# Altium PCB paste_3.3.PcbDoc (part 1 of 3) (continued)
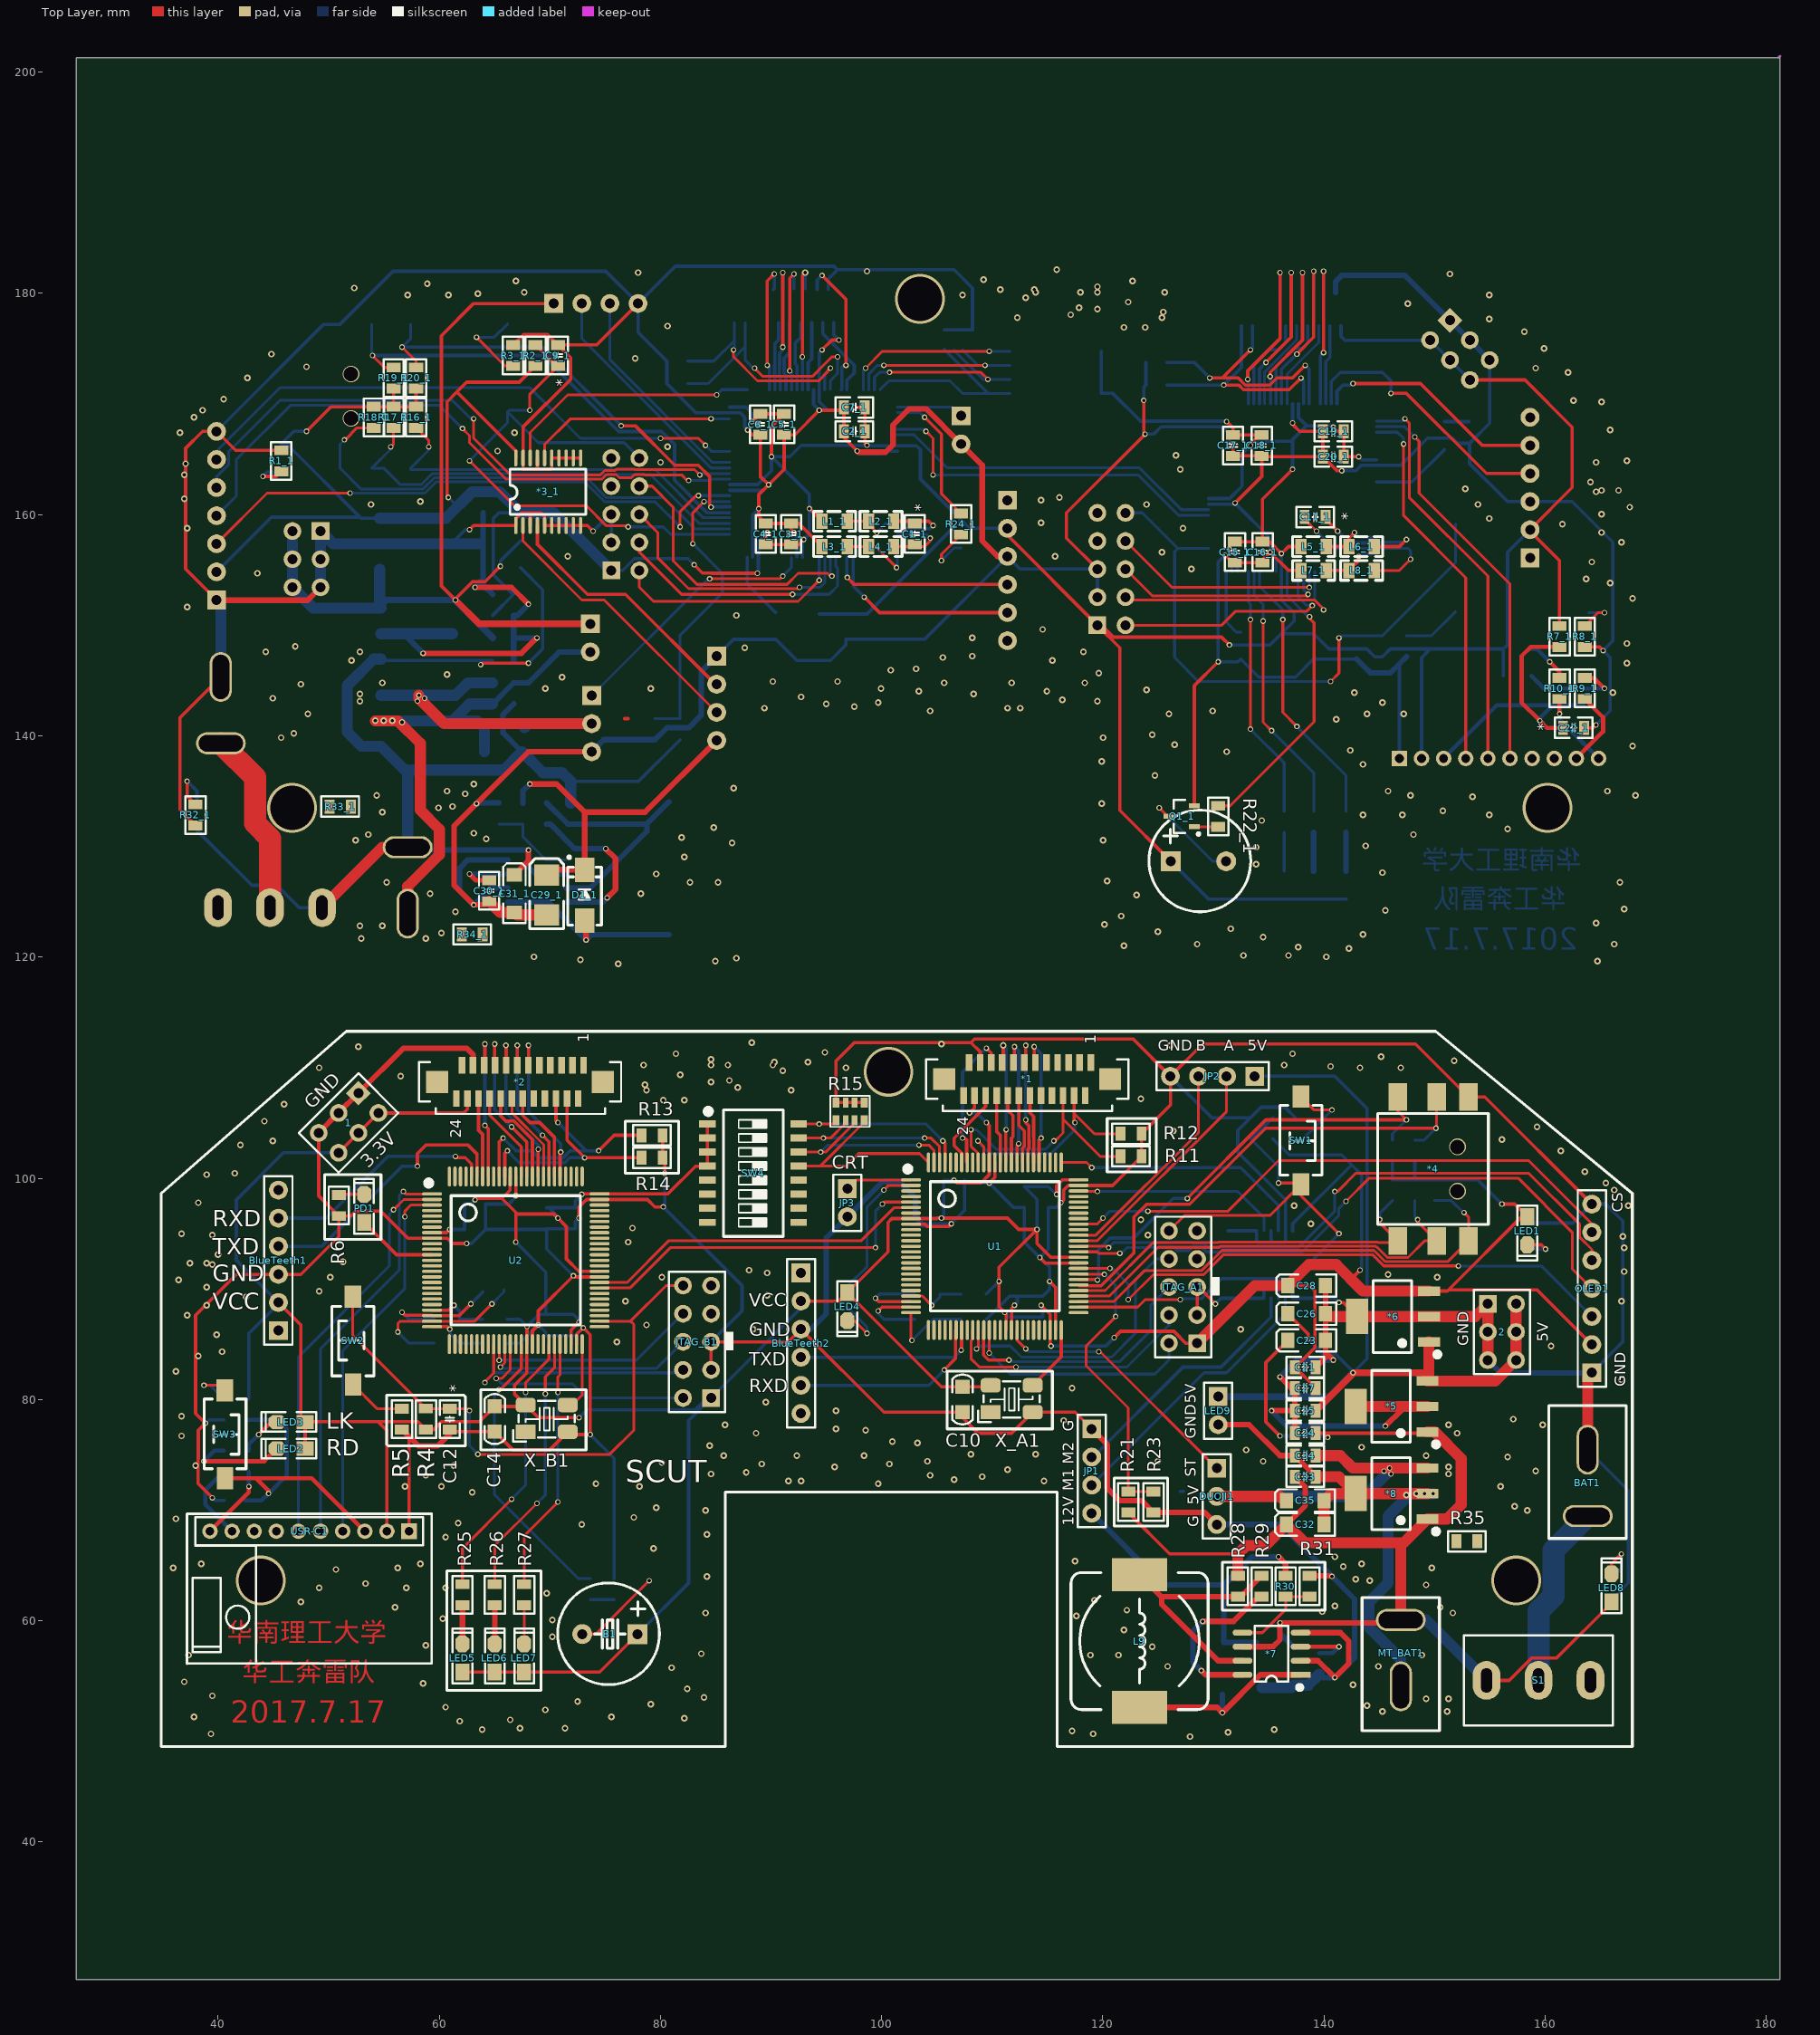
[diagram p0: Top Layer view]
## Components (designator, comment, footprint, x,y, rotation, side; value= is the part's Value field where it differs from the comment) (continued)
R5_1 "100R" "R 0805_L" 147.447,148.082 r90 bottom (schematic designator R5)
R6 "1K" "R 0805_L" 50.927,97.536 r270 top
R6_1 "1K" "R 0805_L" 153.162,167.386 r270 bottom (schematic designator R6)
R7 "4.7K" "R 0805_L" 42.799,79.121 r90 bottom
R7_1 "4.7K" "R 0805_L" 161.29,148.971 r90 top (schematic designator R7)
R8 "100R" "R 0805_L" 40.513,79.121 r90 bottom
R8_1 "100R" "R 0805_L" 163.576,148.971 r90 top (schematic designator R8)
R9 "1K" "R 0805_L" 40.513,74.422 r270 bottom
R9_1 "1K" "R 0805_L" 163.576,144.272 r270 top (schematic designator R9)
R10 "1K" "R 0805_L" 42.799,74.422 r270 bottom
R10_1 "1K" "R 0805_L" 161.29,144.272 r270 top (schematic designator R10)
R11 "150R" "R 0805_L" 122.555,101.981 r180 top
R11_1 "150R" "R 0805_L" 81.534,171.831 r0 bottom (schematic designator R11)
R12 "150R" "R 0805_L" 122.555,104.013 r180 top
R12_1 "150R" "R 0805_L" 81.534,173.863 r0 bottom (schematic designator R12)
R13 "150R" "R 0805_L" 79.248,103.886 r180 top
R13_1 "150R" "R 0805_L" 124.841,173.736 r0 bottom (schematic designator R13)
R14 "150R" "R 0805_L" 79.248,101.854 r180 top
R14_1 "150R" "R 0805_L" 124.841,171.704 r0 bottom (schematic designator R14)
R15 "103" RCA-8P4R-0603 97.155,106.045 r0 top
R15_1 "103" RCA-8P4R-0603 106.934,175.895 r180 bottom (schematic designator R15)
R16 "1K" "R 0805_L" 146.177,98.933 r270 bottom
R16_1 "1K" "R 0805_L" 57.912,168.783 r270 top (schematic designator R16)
R17 "1K" "R 0805_L" 148.209,98.933 r270 bottom
R17_1 "1K" "R 0805_L" 55.88,168.783 r270 top (schematic designator R17)
R18 "1K" "R 0805_L" 149.987,98.933 r270 bottom
R18_1 "1K" "R 0805_L" 54.102,168.783 r270 top (schematic designator R18)
R19 "1K" "R 0805_L" 148.209,102.489 r90 bottom
R19_1 "1K" "R 0805_L" 55.88,172.339 r90 top (schematic designator R19)
R20 "1K" "R 0805_L" 146.177,102.489 r90 bottom
R20_1 "1K" "R 0805_L" 57.912,172.339 r90 top (schematic designator R20)
R21 "20K" "R 0805_L" 122.301,70.739 r90 top
R21_1 "20K" "R 0805_L" 81.788,140.589 r90 bottom (schematic designator R21)
R22 "1K" "R 0805_L" 73.66,62.865 r270 bottom
R22_1 "1K" "R 0805_L" 130.429,132.715 r270 top (schematic designator R22)
R23 "10K" "R 0805_L" 124.587,70.739 r90 top
R23_1 "10K" "R 0805_L" 79.502,140.589 r90 bottom (schematic designator R23)
R24 "1K" "R 0805_L" 96.901,89.281 r90 bottom
R24_1 "1K" "R 0805_L" 107.188,159.131 r90 top (schematic designator R24)
R25 "1K" "R 0805_L" 62.103,62.357 r90 top
R25_1 "1K" "R 0805_L" 141.986,132.207 r90 bottom (schematic designator R25)
R26 "1K" "R 0805_L" 65.024,62.357 r90 top
R26_1 "1K" "R 0805_L" 139.065,132.207 r90 bottom (schematic designator R26)
R27 "1K" "R 0805_L" 67.691,62.357 r90 top
R27_1 "1K" "R 0805_L" 136.398,132.207 r90 bottom (schematic designator R27)
R28 "Res2" "R 0805_L" 132.207,63.119 r90 top
R28_1 "Res2" "R 0805_L" 71.882,132.969 r90 bottom (schematic designator R28)
R29 "Res2" "R 0805_L" 134.366,63.119 r90 top
R29_1 "Res2" "R 0805_L" 69.723,132.969 r90 bottom (schematic designator R29)
R30 "Res2" "R 0805_L" 136.525,63.119 r270 top
R30_1 "Res2" "R 0805_L" 67.564,132.969 r270 bottom (schematic designator R30)
R31 "Res2" "R 0805_L" 138.684,63.119 r270 top
R31_1 "Res2" "R 0805_L" 65.405,132.969 r270 bottom (schematic designator R31)
R32 "1K" "R 0805_L" 166.116,62.992 r270 bottom
R32_1 "1K" "R 0805_L" 37.973,132.842 r270 top (schematic designator R32)
R33 "Res2" "R 0805_L" 153.035,63.754 r180 bottom
R33_1 "Res2" "R 0805_L" 51.054,133.604 r0 top (schematic designator R33)
R34 "Res2" "R 0805_L" 141.097,52.197 r0 bottom
R34_1 "Res2" "R 0805_L" 62.992,122.047 r180 top (schematic designator R34)
R35 "Res2" "R 0805_L" 152.908,67.183 r180 top
R35_1 "Res2" "R 0805_L" 51.181,137.033 r0 bottom (schematic designator R35)
S1 "SW-SPST" MTS-10x 159.385,54.61 r0 top
S1_1 "SW-SPST" MTS-10x 44.704,124.46 r180 bottom (schematic designator S1)
SW1 "3x6x5" "TSW SMD-3*6*2.5" 137.922,103.378 r270 top
SW1_1 "3x6x5" "TSW SMD-3*6*2.5" 66.167,173.228 r270 bottom (schematic designator SW1)
SW2 "3x6x5" "TSW SMD-3*6*2.5" 52.197,85.344 r90 top
SW2_1 "3x6x5" "TSW SMD-3*6*2.5" 151.892,155.194 r90 bottom (schematic designator SW2)
SW3 "3x6x5" "TSW SMD-3*6*2.5" 40.64,76.835 r270 top
SW3_1 "3x6x5" "TSW SMD-3*6*2.5" 163.449,146.685 r270 bottom (schematic designator SW3)
SW4 "CSW-8P" "CSW1.27 SMD-8P" 88.392,100.457 r270 top
SW4_1 "CSW-8P" "CSW1.27 SMD-8P" 115.697,170.307 r270 bottom (schematic designator SW4)
U1 "MK60DN512VLL10" "LQFP100 14x14_N" 110.236,93.853 r270 top
U1_1 "MK60DN512VLL10" "LQFP100 14x14_N" 93.853,163.703 r270 bottom (schematic designator U1)
U2 "MK60DN512VLL10" "LQFP100 14x14_N" 66.929,92.583 r270 top
U2_1 "MK60DN512VLL10" "LQFP100 14x14_N" 137.16,162.433 r270 bottom (schematic designator U2)
USR-C1 "USR-C215" DIP2.0*1-10-M 57.277,68.072 r90 top
USR-C1_1 "USR-C215" DIP2.0*1-10-M 146.812,137.922 r90 bottom (schematic designator USR-C1)
X_A1 "26M" "OSC 5032-4P" 111.76,80.01 r0 top
X_A1_1 "26M" "OSC 5032-4P" 92.329,149.86 r180 bottom (schematic designator X_A1)
X_B1 "50M" "OSC 5032-4P" 69.723,78.232 r0 top
X_B1_1 "50M" "OSC 5032-4P" 134.366,148.082 r180 bottom (schematic designator X_B1)

## Footprints (in the part's own frame and the unit in brackets; to place one, negate y for a bottom-side part, rotate by r counter-clockwise, add the part's x,y. Pads: shape width x height; smd on the part's side, far side on the other; paste and mask are expansions set on the pad)
"BEEP 5x9x5.5" [mm] "5*9*5.5mm(脚距,直径,高度)"
  rect 1.8x1.8 hole 0.9: 1(0,-2.5)
  round 1.8 hole 0.9: 2(0,2.5)
  silkscreen extent -4.57,-4.47 4.62,4.73, body extent -4.5,-4.5 4.5,4.5, height 5.45
"C 0805" [mil] "无极性贴片电容"
  rect 50x50 smd: 1(-45,0) 2(45,0)
  silkscreen extent -89,-36 89,36, body extent -39,-24 39,24, height 20
"C 0805_L" [mil] "无极性贴片电容"
  rect 35x50 smd: 1(-37.4,0) 2(37.4,0)
  silkscreen extent -67,-36 67,36, body extent -39,-24 39,24, height 20
"CD A(3216)" [mm] "长3.2mm，宽1.6mm，厚1.6mm"
  rect 1.2x1.4 smd: 1(-1.7,0) 2(1.7,0)
  silkscreen extent -2.74,-1.02 2.67,1.02, body extent -1.6,-0.8 1.6,0.8, height 1.6
"CD B(3528)" [mil] "长3.5mm，宽2.8mm，厚1.9mm"
  rect 75x90 smd: 1(-70.87,-0.01) 2(70.86,-0.01)
  silkscreen extent -130,-60 120,60, body extent -69,-55 69,55, height 75
CDRH124 [mm] "12*12*4.5mm（长宽高）"
  rect 3x5 smd: 1(-6,0) 2(6,0)
  silkscreen extent -6.2,-6.2 6.2,6.2, body extent -6,-6 6,6, height 4.55
"CSW1.27 SMD-8P" [mm] "长：11.76mm，宽：5.4mm，高：2.3mm"
  rect 0.65x1.5 smd: 1(-4.445,-4.15) 2(-3.175,-4.15) 3(-1.905,-4.15) 4(-0.635,-4.15) 5(0.635,-4.15) 6(1.905,-4.15) 7(3.175,-4.15) 8(4.445,-4.15) 9(4.445,4.105) 10(3.175,4.105) 11(1.905,4.105) 12(0.635,4.105) 13(-0.635,4.105) 14(-1.905,4.105) 15(-3.175,4.105) 16(-4.445,4.105)
  silkscreen extent -5.84,-4.31 5.72,2.7, body extent -5.88,-4.35 5.88,4.35, height 2.35
DIP2.0*1-10-M [mil]
  rect 55x55 hole 31.5: 1(1,0)
  round 55 hole 31.5: 2(1,78.74) 3(1,157.48) 4(1,236.22) 5(1,314.96) 6(1,393.7) 7(1,472.44) 8(1,551.18) 9(1,629.92) 10(1,708.66)
  silkscreen extent -470,-80 63,790
FH12-24S-0.5SV [mm] "Connector; FH12 Series; 24 Position; 0.5mm Spaced Vertical Mounting"
  rect 2x2 smd: 0(-7.5,0) 0(7.5,0)
  rect 0.6x1.5 smd: 1(-5.75,-1.5) 2(-5.25,1.5) 3(-4.75,-1.5) 4(-4.25,1.5) 5(-3.75,-1.5) 6(-3.25,1.5) 7(-2.75,-1.5) 8(-2.25,1.5) 9(-1.75,-1.5) 10(-1.25,1.5) 11(-0.75,-1.5) 12(-0.25,1.5) 13(0.25,-1.5) 14(0.75,1.5) 15(1.25,-1.5) 16(1.75,1.5) 17(2.25,-1.5) 18(2.75,1.5) 19(3.25,-1.5) 20(3.75,1.5) 21(4.25,-1.5) 22(4.75,1.5) 23(5.25,-1.5) 24(5.75,1.5)
  silkscreen extent -9.14,-1.78 9.14,2.9
HDR2.54-LI-2P [mm] "排针，2脚"
  rect 1.7x1.7 hole 0.9: 1(-1.27,0)
  round 1.7 hole 0.9: 2(1.27,0)
  silkscreen extent -2.54,-1.27 2.54,1.27, body extent -2.54,-1.27 2.54,1.27, height 8.5
HDR2.54-LI-3P [mm] "排针，3脚"
  rect 1.7x1.7 hole 0.9: 1(-2.54,0)
  round 1.7 hole 0.9: 2(0,0) 3(2.54,0)
  silkscreen extent -3.81,-1.27 3.81,1.27, body extent -3.81,-1.27 3.81,1.27, height 8.5
HDR2.54-LI-4P [mm] "排针，4脚"
  rect 1.7x1.7 hole 0.9: 1(-3.81,0)
  round 1.7 hole 0.9: 2(-1.27,0) 3(1.27,0) 4(3.81,0)
  silkscreen extent -5.08,-1.27 5.08,1.27, body extent -5.08,-1.27 5.08,1.27, height 8.5
HDR2.54-LI-6P [mm] "排针，6脚"
  rect 1.7x1.7 hole 0.9: 1(-6.35,0)
  round 1.7 hole 0.9: 2(-3.81,0) 3(-1.27,0) 4(1.27,0) 5(3.81,0) 6(6.35,0)
  silkscreen extent -7.62,-1.27 7.62,1.27, body extent -7.62,-1.27 7.62,1.27, height 8.5
HDR2.54-M-LI-7P [mm] "排母，7脚"
  rect 1.7x1.7 hole 0.9: 1(-7.62,0)
  round 1.7 hole 0.9: 2(-5.08,0) 3(-2.54,0) 4(0,0) 5(2.54,0) 6(5.08,0) 7(7.62,0)
  silkscreen extent -8.89,-1.27 8.89,1.27, body extent -8.89,-1.27 8.89,1.27, height 8.5
HDR-1X2 [mm] "排针，2脚"
  rect 1.7x1.7 hole 0.9: 1(0,0)
  round 1.7 hole 0.9: 2(2.54,0)
  silkscreen extent -1.27,-1.27 3.81,1.27, body extent -1.27,-1.27 3.81,1.27, height 8.5
HDR-3X2 [mm] "双排排针，3x2脚"
  rect 1.6x1.6 hole 0.9: 1(0,0)
  round 1.6 hole 0.9: 2(0,2.54) 3(2.54,0) 4(2.54,2.54) 5(5.08,0) 6(5.08,2.54)
  silkscreen extent -1.27,-1.27 6.35,3.81, body extent -1.27,-1.27 6.35,3.81, height 8.5
HDR-5X2 [mm] "双排排针，5x2脚"
  rect 1.6x1.6 hole 0.9: 1(0,0)
  round 1.6 hole 0.9: 2(0,2.54) 3(2.54,0) 4(2.54,2.54) 5(5.08,0) 6(5.08,2.54) 7(7.62,0) 8(7.62,2.54) 9(10.16,0) 10(10.16,2.54)
  silkscreen extent -1.27,-1.27 11.43,3.81, body extent -1.27,-1.27 11.43,3.81, height 8.5
"L 0805" [mil] "小功率贴片电感"
  rect 40x55 smd: 1(-45,0) 2(45,0)
  silkscreen extent -75,-35 75,35, body extent -39,-24 39,24, height 35
"LED 0805B" [mil] "蓝色0805LED"
  rect 60x50 smd: 1(-50,0)
  oct 60x50 smd: 2(50,0)
  silkscreen extent -90,-35 105,35, body extent -39,-25 39,25, height 32
"LED 0805R" [mil] "红色0805LED"
  rect 60x50 smd: 1(-50,0)
  oct 60x50 smd: 2(50,0)
  silkscreen extent -90,-35 105,35, body extent -39,-25 39,25, height 32
"LQFP100 14x14_N" [mm] "100脚，体宽14x14mm，脚距0.5mm"
  oval 0.3x1.8 smd: 1(-6,-7.575) 2(-5.5,-7.575) 3(-5,-7.575) 4(-4.5,-7.575) 5(-4,-7.575) 6(-3.5,-7.575) 7(-3,-7.575) 8(-2.5,-7.575) 9(-2,-7.575) 10(-1.5,-7.575) 11(-1,-7.575) 12(-0.5,-7.575) 13(0,-7.575) 14(0.5,-7.575) 15(1,-7.575) 16(1.5,-7.575) 17(2,-7.575) 18(2.5,-7.575) 19(3,-7.575) 20(3.5,-7.575) 21(4,-7.575) 22(4.5,-7.575) 23(5,-7.575) 24(5.5,-7.575) 25(6,-7.575) 51(6,7.575) 52(5.5,7.575) 53(5,7.575) 54(4.5,7.575) 55(4,7.575) 56(3.5,7.575) 57(3,7.575) 58(2.5,7.575) 59(2,7.575) 60(1.5,7.575) 61(1,7.575) 62(0.5,7.575) 63(0,7.575) 64(-0.5,7.575) 65(-1,7.575) 66(-1.5,7.575) 67(-2,7.575) 68(-2.5,7.575) 69(-3,7.575) 70(-3.5,7.575) 71(-4,7.575) 72(-4.5,7.575) 73(-5,7.575) 74(-5.5,7.575) 75(-6,7.575)
  oval 1.8x0.3 smd: 26(7.576,-6) 27(7.576,-5.5) 28(7.576,-5) 29(7.576,-4.5) 30(7.576,-4) 31(7.576,-3.5) 32(7.576,-3) 33(7.576,-2.5) 34(7.576,-2) 35(7.576,-1.5) 36(7.576,-1) 37(7.576,-0.5) 38(7.576,0) 39(7.576,0.5) 40(7.576,1) 41(7.576,1.5) 42(7.576,2) 43(7.576,2.5) 44(7.576,3) 45(7.576,3.5) 46(7.576,4) 47(7.576,4.5) 48(7.576,5) 49(7.576,5.5) 50(7.576,6) 76(-7.575,6) 77(-7.575,5.5) 78(-7.575,5) 79(-7.575,4.5) 80(-7.575,4) 81(-7.575,3.5) 82(-7.575,3) 83(-7.575,2.5) 84(-7.575,2) 85(-7.575,1.5) 86(-7.575,1) 87(-7.575,0.5) 88(-7.575,0) 89(-7.575,-0.5) 90(-7.575,-1) 91(-7.575,-1.5) 92(-7.575,-2) 93(-7.575,-2.5) 94(-7.575,-3) 95(-7.575,-3.5) 96(-7.575,-4) 97(-7.575,-4.5) 98(-7.575,-5) 99(-7.575,-5.5) 100(-7.575,-6)
  silkscreen extent -7.23,-8.12 5.84,5.84, body extent -8,-8 8,8, height 1.45
MTS-10x [mm] "MTS10系列3脚扭子开关"
  oval 2.5x3.5 hole 1 slot 2.2 at 90 deg unplated: 1(-4.7,0) 2(0,0) 3(4.7,0)
  silkscreen extent -6.73,-4.06 6.73,4.06, body extent -6.6,-3.95 6.6,3.95, height 30.47
"OSC 5032-4P" [mm] "5mm*3.2mm*0.8mm(长*宽*高)"
  rect 1.8x1.3 smd: 1(-1.9,-1.15)
  rrect50% 1.8x1.3 smd: 2(1.9,-1.15) 3(1.9,1.272) 4(-1.9,1.272)
  silkscreen extent -3.05,-2.03 2.54,1.65, body extent -2.5,-1.6 2.5,1.6, height 0.86
"R 0805_L" [mil] "1/8W贴片电阻"
  rect 35x50 smd: 1(-37.4,0) 2(37.4,0)
  silkscreen extent -67,-36 67,36, body extent -39,-25 39,25, height 20
RCA-8P4R-0603 [mm] "3.2mm*1.6mm*0.6mm(长*宽*厚)"
  rect 0.65x0.9 smd: 1(-1.28,-0.8) 4(1.28,-0.8) 5(1.28,0.8) 8(-1.28,0.8)
  rect 0.5x0.9 smd: 2(-0.4,-0.8) 3(0.4,-0.8) 6(0.4,0.8) 7(-0.4,0.8)
  silkscreen extent -1.78,-1.4 1.78,1.4, body extent -1.6,-0.8 1.6,0.8, height 0.6
SMA [mm] "4.5x2.6*2.2mm（长宽高，不包括引脚）"
  rect 2.2x1.75 smd: 1(-2.3,0) 2(2.3,0)
  silkscreen extent -2.7,-1.52 3.56,1.52, body extent -2.53,-1.3 2.57,1.3, height 2.15
SOP8_N [mm] "5*6*1.8mm（长宽高）"
  rect 1.8x0.55 smd: 1(-2.625,1.905)
  oval 1.8x0.55 smd: 2(-2.625,0.635) 3(-2.625,-0.635) 4(-2.625,-1.905) 5(2.625,-1.905) 6(2.625,-0.635) 7(2.625,0.635) 8(2.625,1.905)
  silkscreen extent -2.69,-2.5 1.52,3.2, body extent -3,-2.5 3,2.5, height 1.9
SOT23-3L [mm] "3x1.3x1mm(长宽高)"
  rect 0.45x1 smd: 1(-0.95,-1.143) 2(0.95,-1.143) 3(0,1.125)
  silkscreen extent -1.72,-1.65 1.5,0.7, body extent -1.5,-1.2 1.5,1.2, height 1.05
SOT223_N [mm] "6.4x7x1.6mm(长宽高)"
  rect 0.85x2 smd: 1(-2.3,-3.302) 2(0,-3.302) 3(2.3,-3.302)
  rect 3.2x2 smd: 2(0,3.175)
  silkscreen extent -3.63,-4.26 3.25,1.75, body extent -3.25,-3.51 3.25,3.51, height 1.65
"SW - duplicate" [mm]
  oval 2x4.5 hole 1.5 slot 4 at 90 deg: 1(0,0)
  oval 4.5x2 hole 1.5 slot 4 at 0 deg: 2(6,0)
  silkscreen extent -2.03,-3.5 10,3.5
TSSOP-20 [mil]
  rect 60x12 smd: 1(0,0)
  oval 60x12 smd: 2(0,-25.59) 3(0,-51.18) 4(0,-76.77) 5(0,-102.36) 6(0,-127.95) 7(0,-153.54) 8(0,-179.13) 9(0,-204.72) 10(0,-230.31) 11(240.16,-230.31) 12(240.16,-204.72) 13(240.16,-179.13) 14(240.16,-153.54) 15(240.16,-127.95) 16(240.16,-102.36) 17(240.16,-76.77) 18(240.16,-51.18) 19(240.16,-25.59) 20(240.16,0)
  silkscreen extent 40,-249 200,20, body extent 6,-254 234,24, height 79
"TSW SMD-3*6*2.5" [mm] "3*6*2.5mm"
  rect 2x1.5 smd: 1(-3.996,-0.02) 2(3.937,0)
  silkscreen extent -3.21,-1.9 3.09,1.9, body extent -4,-1.88 4,1.62, height 2.59
五向 [mm]
  rect 2.5x1.67 smd: 1(-6.5,3.2) 2(-6.5,-0.32) 3(-6.5,-3.2) 4(6.5,-3.2) 5(6.5,-0.32) 6(6.5,3.2)
  silkscreen extent -5,-5 5,5

## Part data
1 1_1 2 2_1: library part "Header 3X2", "3*2P接插件"
*6 *6_1: library part LM2940
B1 B1_1: library part BEEP, "蜂鸣器"
BAT1 BAT1_1 MT_BAT1 MT_BAT1_1: "Header, 2-Pin"
BlueTeeth1 BlueTeeth1_1 BlueTeeth2 BlueTeeth2_1: library part "Header 6", "6P接插件"
C1 C1_1 C2 C2_1 C3 C3_1 C4 C4_1 C5 C5_1 C6 C6_1 C7 C7_1 C9 C9_1 C11 C11_1 C12 C12_1 C15 C15_1 C16 C16_1 C17 C17_1 C18 C18_1 C19 C19_1 C20 C20_1 C21 C21_1 C22 C22_1: library part CAP, "Capacitor"
C10 C10_1 C14 C14_1: library part C, "无极性贴片电容"
C23 C23_1 C26 C26_1 C28 C28_1 C30 C30_1 C32 C32_1 C35 C35_1: "Capacitor"
C24 C24_1 C25 C25_1 C27 C27_1 C33 C33_1 C34 C34_1: library part Cap, "Capacitor"
C29 C29_1 C31 C31_1: "Polarized Capacitor (Radial)"
D1 D1_1: library part Diode, "Default Diode"
DUOJI1 DUOJI1_1: library part "Header 3", "3P接插件"
JP1 JP1_1 JP2 JP2_1: library part "Header 4", "4P接插件"
JP3 JP3_1 LED9 LED9_1: library part "Header 2", "2P接插件"
JTAG_A1 JTAG_A1_1 JTAG_B1 JTAG_B1_1: "5*2P接插件"
L1 L1_1 L2 L2_1 L3 L3_1 L4 L4_1 L5 L5_1 L6 L6_1 L7 L7_1 L8 L8_1: library part Inductor, "Inductor"
LED1 LED1_1 LED2 LED2_1 LED3 LED3_1 LED4 LED4_1 LED5 LED5_1 LED6 LED6_1 LED7 LED7_1 LED8 LED8_1: library part LED-SMD, "贴片LED"
OLED1 OLED1_1: "12864 点阵屏"
Q1 Q1_1: library part 8050-SMD, "高频放大-NPN型"
R1 R1_1 R2 R2_1 R3 R3_1 R4 R4_1 R5 R5_1 R6 R6_1 R7 R7_1 R8 R8_1 R9 R9_1 R10 R10_1 R11 R11_1 R12 R12_1 R13 R13_1 R14 R14_1 R21 R21_1 R22 R22_1 R23 R23_1 R24 R24_1 R25 R25_1 R26 R26_1 R27 R27_1 R32 R32_1: library part Res2, "Resistor"
R15 R15_1: library part R-8P4R, "贴片网络排阻"
R16 R16_1 R17 R17_1 R18 R18_1 R19 R19_1 R20 R20_1: library part R, "贴片电阻"
R28 R28_1 R29 R29_1 R30 R30_1 R31 R31_1 R33 R33_1 R34 R34_1 R35 R35_1: "Resistor"
S1 S1_1: "Single-Pole, Single-Throw Switch"
SW1 SW1_1 SW2 SW2_1 SW3 SW3_1: library part "TSW 3x6", "3x6轻触开关"
SW4 SW4_1: "8路编码开关"
U1 U1_1 U2 U2_1: library part MK60DN512ZVLQ10, "MK60DN512ZVLL10"
X_A1 X_A1_1 X_B1 X_B1_1: library part XTAL-4, "4脚晶振"

## Via types
v1: diameter 0.6, hole 0.3, Top Layer to Bottom Layer, tented both sides, 470 vias
v2: diameter 0.5, hole 0.3, Top Layer to Bottom Layer, tented both sides, 330 vias
v3: diameter 4.5, hole 4, Top Layer to Bottom Layer, tented both sides, 6 vias
v4: diameter 1.5, hole 1.3, Top Layer to Bottom Layer, tented both sides, 4 vias

## Nets (pads, with @x,y where several pads share a name; then routed paths per layer and width w, separated by ;. In a path a pad name is that pad's centre, name@x,y a point inside that pad or via, vN(x,y) a via of type N, cw(c..) or ccw(c..) an arc to the next point about the centre after c; other vN are vias at no path point)
pads on no net: 1.1 1.2 1.3 1.4 1.5 1.6 1_1.1 1_1.2 1_1.3 1_1.4 1_1.5 1_1.6 2.1 2.2 2.3 2.4 2.5 2.6 2_1.1 2_1.2 2_1.3 2_1.4 2_1.5 2_1.6 *1.0 *1.1 *1.2 *1.3 *1.4 *1.5 *1.6 *1.7 *1.8 *1.9 *1.10 *1.11 *1.12 *1.13 *1.14 *1.15 *1.16 *1.17 *1.18 *1.19 *1.20 *1.21 *1.22 *1.23 *1.24 *1_1.0 *1_1.1 *1_1.2 *1_1.3 *1_1.4 *1_1.5 *1_1.6 *1_1.7 *1_1.8 *1_1.9 *1_1.10 *1_1.11 *1_1.12 *1_1.13 *1_1.14 *1_1.15 *1_1.16 *1_1.17 *1_1.18 *1_1.19 *1_1.20 *1_1.21 *1_1.22 *1_1.23 *1_1.24 *2.0 *2.1 *2.2 *2.3 *2.4 *2.5 *2.6 *2.7 *2.8 *2.9 *2.10 *2.11 *2.12 *2.13 *2.14 *2.15 *2.16 *2.17 *2.18 *2.19 *2.20 *2.21 *2.22 *2.23 *2.24 *2_1.0 *2_1.1 *2_1.2 *2_1.3 *2_1.4 *2_1.5 *2_1.6 *2_1.7 *2_1.8 *2_1.9 *2_1.10 *2_1.11 *2_1.12 *2_1.13 *2_1.14 *2_1.15 *2_1.16 *2_1.17 *2_1.18 *2_1.19 *2_1.20 *2_1.21 *2_1.22 *2_1.23 *2_1.24 *3.1 *3.2 *3.3 *3.4 *3.5 *3.6 *3.7 *3.8 *3.9 *3.10 *3.11 *3.12 *3.13 *3.14 *3.15 *3.16 *3.17 *3.18 *3.19 *3.20 *3_1.1 *3_1.2 *3_1.3 *3_1.4 *3_1.5 *3_1.6 *3_1.7 *3_1.8 *3_1.9 *3_1.10 *3_1.11 *3_1.12 *3_1.13 *3_1.14 *3_1.15 *3_1.16 *3_1.17 *3_1.18 *3_1.19 *3_1.20 *4.1 *4.2 *4.3 *4.4 *4.5 *4.6 *4_1.1 *4_1.2 *4_1.3 *4_1.4 *4_1.5 *4_1.6 *5.1 *5.2 *5.3 *5_1.1 *5_1.2 *5_1.3 *6.1 *6.2 *6.3 *6_1.1 *6_1.2 *6_1.3 *7.1 *7.2 *7.3 *7.4 *7.5 *7.6 *7.7 *7.8 *7_1.1 *7_1.2 *7_1.3 *7_1.4 *7_1.5 *7_1.6 *7_1.7 *7_1.8 *8.1 *8.2 *8.3 *8_1.1 *8_1.2 *8_1.3 B1.1 B1.2 B1_1.1 B1_1.2 BAT1.1 BAT1.2 BAT1_1.1 BAT1_1.2 BlueTeeth1.1 BlueTeeth1.2 BlueTeeth1.3 BlueTeeth1.4 BlueTeeth1.5 BlueTeeth1.6 BlueTeeth1_1.1 BlueTeeth1_1.2 BlueTeeth1_1.3 BlueTeeth1_1.4 BlueTeeth1_1.5 BlueTeeth1_1.6 BlueTeeth2.1 BlueTeeth2.2 BlueTeeth2.3 BlueTeeth2.4 BlueTeeth2.5 BlueTeeth2.6 BlueTeeth2_1.1 BlueTeeth2_1.2 BlueTeeth2_1.3 BlueTeeth2_1.4 BlueTeeth2_1.5 BlueTeeth2_1.6 C1.1 C1.2 C1_1.1 C1_1.2 C2.1 C2.2 C2_1.1 C2_1.2 C3.1 C3.2 C3_1.1 C3_1.2 C4.1 C4.2 C4_1.1 C4_1.2 C5.1 C5.2 C5_1.1 C5_1.2 C6.1 C6.2 C6_1.1 C6_1.2 C7.1 C7.2 C7_1.1 C7_1.2 C9.1 C9.2 C9_1.1 C9_1.2 C10.1 C10.2 C10_1.1 C10_1.2 C11.1 C11.2 C11_1.1 C11_1.2 C12.1 C12.2 C12_1.1 C12_1.2 C14.1 C14.2 C14_1.1 C14_1.2 C15.1 C15.2 C15_1.1 C15_1.2 C16.1 C16.2 C16_1.1 C16_1.2 C17.1 C17.2 C17_1.1 C17_1.2 C18.1 C18.2 C18_1.1 C18_1.2 C19.1 C19.2 C19_1.1 C19_1.2 C20.1 C20.2 C20_1.1 C20_1.2 C21.1 C21.2 C21_1.1 C21_1.2 C22.1 C22.2 C22_1.1 C22_1.2 C23.1 C23.2 C23_1.1 C23_1.2 C24.1 C24.2 C24_1.1 C24_1.2 C25.1 C25.2 C25_1.1 C25_1.2 C26.1 C26.2 C26_1.1 C26_1.2 C27.1 C27.2 C27_1.1 C27_1.2 C28.1 C28.2 C28_1.1 C28_1.2 C29.1 C29.2 C29_1.1 C29_1.2 C30.1 C30.2 C30_1.1 C30_1.2 C31.1 C31.2 C31_1.1 C31_1.2 C32.1 C32.2 C32_1.1 C32_1.2 C33.1 C33.2 C33_1.1 C33_1.2 C34.1 C34.2 C34_1.1 C34_1.2 C35.1 C35.2 C35_1.1 C35_1.2 D1.1 D1.2 D1_1.1 D1_1.2 DUOJI1.1 DUOJI1.2 DUOJI1.3 DUOJI1_1.1 DUOJI1_1.2 DUOJI1_1.3 JP1.1 JP1.2 JP1.3 JP1.4 JP1_1.1 JP1_1.2 JP1_1.3 JP1_1.4 JP2.1 JP2.2 JP2.3 JP2.4 JP2_1.1 JP2_1.2 JP2_1.3 JP2_1.4 JP3.1 JP3.2 JP3_1.1 JP3_1.2 JTAG_A1.1 JTAG_A1.2 JTAG_A1.3 JTAG_A1.4 JTAG_A1.5 JTAG_A1.6 JTAG_A1.7 JTAG_A1.8 JTAG_A1.9 JTAG_A1.10 JTAG_A1_1.1 JTAG_A1_1.2 JTAG_A1_1.3 JTAG_A1_1.4 JTAG_A1_1.5 JTAG_A1_1.6 JTAG_A1_1.7 JTAG_A1_1.8 JTAG_A1_1.9 JTAG_A1_1.10 JTAG_B1.1 JTAG_B1.2 JTAG_B1.3 JTAG_B1.4 JTAG_B1.5 JTAG_B1.6 JTAG_B1.7 JTAG_B1.8 JTAG_B1.9 JTAG_B1.10 JTAG_B1_1.1 JTAG_B1_1.2 JTAG_B1_1.3 JTAG_B1_1.4 JTAG_B1_1.5 JTAG_B1_1.6 JTAG_B1_1.7 JTAG_B1_1.8 JTAG_B1_1.9 JTAG_B1_1.10 L1.1 L1.2 L1_1.1 L1_1.2 L2.1 L2.2 L2_1.1 L2_1.2 L3.1 L3.2 L3_1.1 L3_1.2 L4.1 L4.2 L4_1.1 L4_1.2 L5.1 L5.2 L5_1.1 L5_1.2 L6.1 L6.2 L6_1.1 L6_1.2 L7.1 L7.2 L7_1.1 L7_1.2 L8.1 L8.2 L8_1.1 L8_1.2 L9.1 L9.2 L9_1.1 L9_1.2 LED1.1 LED1.2 LED1_1.1 LED1_1.2 LED2.1 LED2.2 LED2_1.1 LED2_1.2 LED3.1 LED3.2 LED3_1.1 LED3_1.2 LED4.1 LED4.2 LED4_1.1 LED4_1.2 LED5.1 LED5.2 LED5_1.1 LED5_1.2 LED6.1 LED6.2 LED6_1.1 LED6_1.2 LED7.1 LED7.2 LED7_1.1 LED7_1.2 LED8.1 LED8.2 LED8_1.1 LED8_1.2 LED9.1 LED9.2 LED9_1.1 LED9_1.2 MT_BAT1.1 MT_BAT1.2 MT_BAT1_1.1 MT_BAT1_1.2 OLED1.1 OLED1.2 OLED1.3 OLED1.4 OLED1.5 OLED1.6 OLED1.7 OLED1_1.1 OLED1_1.2 OLED1_1.3 OLED1_1.4 OLED1_1.5 OLED1_1.6 OLED1_1.7 PD1.1 PD1.2 PD1_1.1 PD1_1.2 Q1.1 Q1.2 Q1.3 Q1_1.1 Q1_1.2 Q1_1.3 R1.1 R1.2 R1_1.1 R1_1.2 R2.1 R2.2 R2_1.1 R2_1.2 R3.1 R3.2 R3_1.1 R3_1.2 R4.1 R4.2 R4_1.1 R4_1.2 R5.1 R5.2 R5_1.1 R5_1.2 R6.1 R6.2 R6_1.1 R6_1.2 R7.1 R7.2 R7_1.1 R7_1.2 R8.1 R8.2 R8_1.1 R8_1.2 R9.1 R9.2 R9_1.1 R9_1.2 R10.1 R10.2 R10_1.1 R10_1.2 R11.1 R11.2 R11_1.1 R11_1.2 R12.1 R12.2 R12_1.1 R12_1.2 R13.1 R13.2 R13_1.1 R13_1.2 R14.1 R14.2 R14_1.1 R14_1.2 R15.1 R15.2 R15.3 R15.4 R15.5 R15.6 R15.7 R15.8 R15_1.1 R15_1.2 R15_1.3 R15_1.4 R15_1.5 R15_1.6 R15_1.7 R15_1.8 R16.1 R16.2 R16_1.1 R16_1.2 R17.1 R17.2 R17_1.1 R17_1.2 R18.1 R18.2 R18_1.1 R18_1.2 R19.1 R19.2 R19_1.1 R19_1.2 R20.1 R20.2 R20_1.1 R20_1.2 R21.1 R21.2 R21_1.1 R21_1.2 R22.1 R22.2 R22_1.1 R22_1.2 R23.1 R23.2 R23_1.1 R23_1.2 R24.1 R24.2 R24_1.1 R24_1.2 R25.1 R25.2 R25_1.1 R25_1.2 R26.1 R26.2 R26_1.1 R26_1.2 R27.1 R27.2 R27_1.1 R27_1.2 R28.1 R28.2 R28_1.1 R28_1.2 R29.1 R29.2 R29_1.1 R29_1.2 R30.1 R30.2 R30_1.1 R30_1.2 R31.1 R31.2 R31_1.1 R31_1.2 R32.1 R32.2 R32_1.1 R32_1.2 R33.1 R33.2 R33_1.1 R33_1.2 R34.1 R34.2 R34_1.1 R34_1.2 R35.1 R35.2 R35_1.1 R35_1.2 S1.1 S1.2 S1.3 S1_1.1 S1_1.2 S1_1.3 SW1.1 SW1.2 SW1_1.1 SW1_1.2 SW2.1 SW2.2 SW2_1.1 SW2_1.2 SW3.1 SW3.2 SW3_1.1 SW3_1.2 SW4.1 SW4.2 SW4.3 SW4.4 SW4.5 SW4.6 SW4.7 SW4.8 SW4.9 SW4.10 SW4.11 SW4.12 SW4.13 SW4.14 SW4.15 SW4.16 SW4_1.1 SW4_1.2 SW4_1.3 SW4_1.4 SW4_1.5 SW4_1.6 SW4_1.7 SW4_1.8 SW4_1.9 SW4_1.10 SW4_1.11 SW4_1.12 SW4_1.13 SW4_1.14 SW4_1.15 SW4_1.16 U1.1 U1.2 U1.3 U1.4 U1.5 U1.6 U1.7 U1.8 U1.9 U1.10 U1.11 U1.12 U1.13 U1.14 U1.15 U1.16 U1.17 U1.18 U1.19 U1.20 U1.21 U1.22 U1.23 U1.24 U1.25 U1.26 U1.27 U1.28 U1.29 U1.30 U1.31 U1.32 U1.33 U1.34 U1.35 U1.36 U1.37 U1.38 U1.39 U1.40 U1.41 U1.42 U1.43 U1.44 U1.45 U1.46 U1.47 U1.48 U1.49 U1.50 U1.51 U1.52 U1.53 U1.54 U1.55 U1.56 U1.57 U1.58 U1.59 U1.60 U1.61 U1.62 U1.63 U1.64 U1.65 U1.66 U1.67 U1.68 U1.69 U1.70 U1.71 U1.72 U1.73 U1.74 U1.75 U1.76 U1.77 U1.78 U1.79 U1.80 U1.81 U1.82 U1.83 U1.84 U1.85 U1.86 U1.87 U1.88 U1.89 U1.90 U1.91 U1.92 U1.93 U1.94 U1.95 U1.96 U1.97 U1.98 U1.99 U1.100 U1_1.1 U1_1.2 U1_1.3 U1_1.4 U1_1.5 U1_1.6 U1_1.7 U1_1.8 U1_1.9 U1_1.10 U1_1.11 U1_1.12 U1_1.13 U1_1.14 U1_1.15 U1_1.16 U1_1.17 U1_1.18 U1_1.19 U1_1.20 U1_1.21 U1_1.22 U1_1.23 U1_1.24 U1_1.25 U1_1.26 U1_1.27 U1_1.28 U1_1.29 U1_1.30 U1_1.31 U1_1.32 U1_1.33 U1_1.34 U1_1.35 U1_1.36 U1_1.37 U1_1.38 U1_1.39 U1_1.40 U1_1.41 U1_1.42 U1_1.43 U1_1.44 U1_1.45 U1_1.46 U1_1.47 U1_1.48 U1_1.49 U1_1.50 U1_1.51 U1_1.52 U1_1.53 U1_1.54 U1_1.55 U1_1.56 U1_1.57 U1_1.58 U1_1.59 U1_1.60 U1_1.61 U1_1.62 U1_1.63 U1_1.64 U1_1.65 U1_1.66 U1_1.67 U1_1.68 U1_1.69 U1_1.70 U1_1.71 U1_1.72 U1_1.73 U1_1.74 U1_1.75 U1_1.76 U1_1.77 U1_1.78 U1_1.79 U1_1.80 U1_1.81 U1_1.82 U1_1.83 U1_1.84 U1_1.85 U1_1.86 U1_1.87 U1_1.88 U1_1.89 U1_1.90 U1_1.91 U1_1.92 U1_1.93 U1_1.94 U1_1.95 U1_1.96 U1_1.97 U1_1.98 U1_1.99 U1_1.100 U2.1 U2.2 U2.3 U2.4 U2.5 U2.6 U2.7 U2.8 U2.9 U2.10 U2.11 U2.12 U2.13 U2.14 U2.15 U2.16 U2.17 U2.18 U2.19 U2.20 U2.21 U2.22 U2.23 U2.24 U2.25 U2.26 U2.27 U2.28 U2.29 U2.30 U2.31 U2.32 U2.33 U2.34 U2.35 U2.36 U2.37 U2.38 U2.39 U2.40 U2.41 U2.42 U2.43 U2.44 U2.45 U2.46 U2.47 U2.48 U2.49 U2.50 U2.51 U2.52 U2.53 U2.54 U2.55 U2.56 U2.57 U2.58 U2.59 U2.60 U2.61 U2.62 U2.63 U2.64 U2.65 U2.66 U2.67 U2.68 U2.69 U2.70 U2.71 U2.72 U2.73 U2.74 U2.75 U2.76 U2.77 U2.78 U2.79 U2.80 U2.81 U2.82 U2.83 U2.84 U2.85 U2.86 U2.87 U2.88 U2.89 U2.90 U2.91 U2.92 U2.93 U2.94 U2.95 U2.96 U2.97 U2.98 U2.99 U2.100 U2_1.1 U2_1.2 U2_1.3 U2_1.4 U2_1.5 U2_1.6 U2_1.7 U2_1.8 U2_1.9 U2_1.10 U2_1.11 U2_1.12 U2_1.13 U2_1.14 U2_1.15 U2_1.16 U2_1.17 U2_1.18 U2_1.19 U2_1.20 U2_1.21 U2_1.22 U2_1.23 U2_1.24 U2_1.25 U2_1.26 U2_1.27 U2_1.28 U2_1.29 U2_1.30 U2_1.31 U2_1.32 U2_1.33 U2_1.34 U2_1.35 U2_1.36 U2_1.37 U2_1.38 U2_1.39 U2_1.40 U2_1.41 U2_1.42 U2_1.43 U2_1.44 U2_1.45 U2_1.46 U2_1.47 U2_1.48 U2_1.49 U2_1.50 U2_1.51 U2_1.52 U2_1.53 U2_1.54 U2_1.55 U2_1.56 U2_1.57 U2_1.58 U2_1.59 U2_1.60 U2_1.61 U2_1.62 U2_1.63 U2_1.64 U2_1.65 U2_1.66 U2_1.67 U2_1.68 U2_1.69 U2_1.70 U2_1.71 U2_1.72 U2_1.73 U2_1.74 U2_1.75 U2_1.76 U2_1.77 U2_1.78 U2_1.79 U2_1.80 U2_1.81 U2_1.82 U2_1.83 U2_1.84 U2_1.85 U2_1.86 U2_1.87 U2_1.88 U2_1.89 U2_1.90 U2_1.91 U2_1.92 U2_1.93 U2_1.94 U2_1.95 U2_1.96 U2_1.97 U2_1.98 U2_1.99 U2_1.100 USR-C1.1 USR-C1.2 USR-C1.3 USR-C1.4 USR-C1.5 USR-C1.6 USR-C1.7 USR-C1.8 USR-C1.9 USR-C1.10 USR-C1_1.1 USR-C1_1.2 USR-C1_1.3 USR-C1_1.4 USR-C1_1.5 USR-C1_1.6 USR-C1_1.7 USR-C1_1.8 USR-C1_1.9 USR-C1_1.10 X_A1.1 X_A1.2 X_A1.3 X_A1.4 X_A1_1.1 X_A1_1.2 X_A1_1.3 X_A1_1.4 X_B1.1 X_B1.2 X_B1.3 X_B1.4 X_B1_1.1 X_B1_1.2 X_B1_1.3 X_B1_1.4